# KiCad board d20_tri_r0.3_4x1.kicad_pcb (continued)
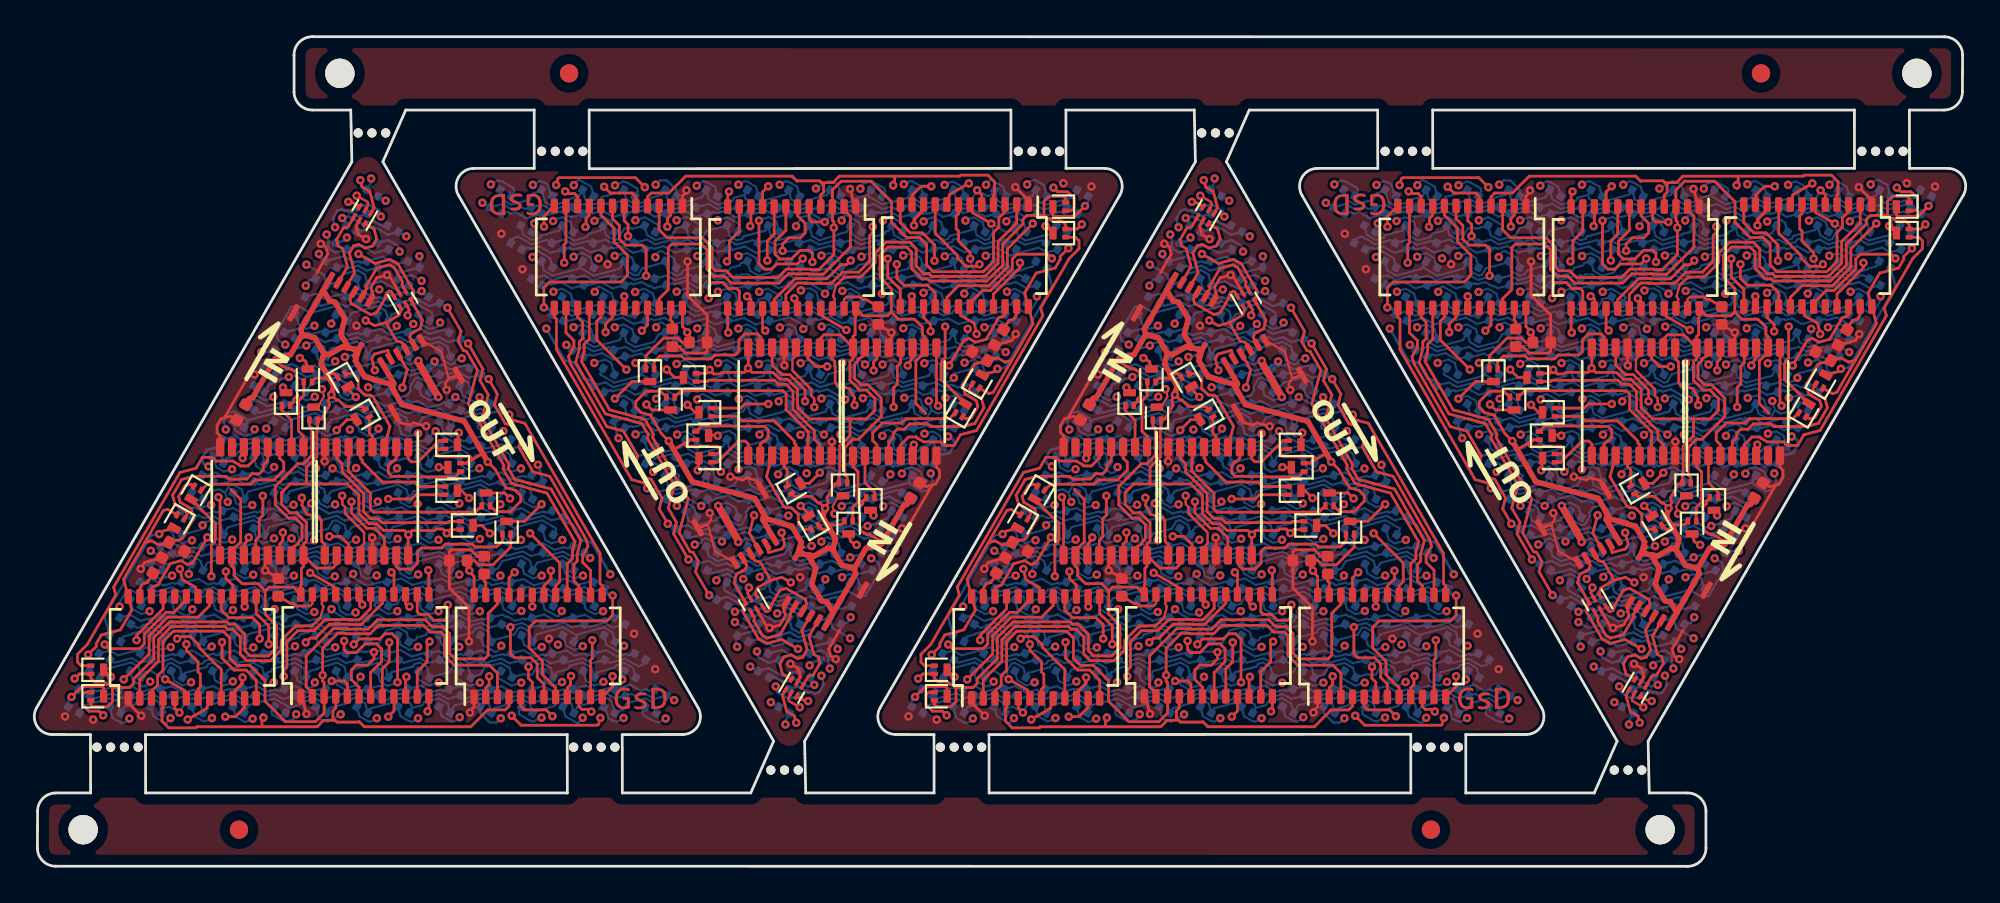
[diagram p0: board, top side]
## Routing (per net, layer and track width the routed paths; a pad name or vN(x,y) marks a point on that pad's centre or on a via; arc(x,y) is an arc through that point) (continued)
  Top w0.3: v1(34.6,23.2) 35.88,20.98 39.29,20.07 39.69,19.37 ; C3.1 47.59,19.74 47.41,19.69 46.19,17.57 45.36,17.34 44.72,16.24 ; C3#2.1 11.74,25.52 11.92,25.57 13.14,27.69 13.97,27.91 14.61,29.01 ; v1(24.73,22.06) 23.45,24.28 20.04,25.19 19.64,25.89 ; J2#2.1 19.61,26.34 19.54,26.07 19.64,25.89 ; 14.61,29.01 14.53,29.3 15.76,31.42 ; 14.61,29.01 15.3,28.83 15.79,27.97 ; 16.33,26.2 16.3,26.25 ; 16.33,26.2 v1(16.2,25.72) ; 16.33,26.2 15.63,27.4 15.79,27.97 ; 15.79,27.97 16.06,27.9 16.82,28.34 17.09,28.26 17.13,28.29 ; 19.64,25.89 19.4,26.31 18.48,26.55 18.46,26.58 18.01,26.7 17.51,27.57 17.67,28.15 17.13,28.29 ; 17.13,28.29 16.71,29.02 16.94,29.85 16.41,30.77 16.09,30.85 15.76,31.42 ; 15.76,31.42 J1#2.1 ; C3#3.1 93.59,19.74 93.41,19.69 92.19,17.57 91.36,17.34 90.72,16.24 ; v1(80.6,23.2) 81.88,20.98 85.29,20.07 85.69,19.37 ; J2#4.1 85.72,18.92 85.79,19.19 85.69,19.37 ; 90.72,16.24 90.8,15.96 89.57,13.83 ; 90.72,16.24 90.03,16.43 89.54,17.28 ; 89,19.06 89.03,19.01 ; 89,19.06 v1(89.13,19.54) ; 89,19.06 89.7,17.86 89.54,17.28 ; 89.54,17.28 89.27,17.35 88.51,16.92 88.24,16.99 88.2,16.97 ; 85.69,19.37 85.93,18.95 86.85,18.7 86.87,18.67 87.32,18.55 87.82,17.68 87.66,17.11 88.2,16.97 ; 88.2,16.97 88.62,16.24 88.4,15.41 88.93,14.49 89.24,14.4 89.57,13.83 ; 89.57,13.83 J1#4.1 ; 65.64,25.89 65.54,26.07 65.61,26.34 J2#3.1 ; 65.64,25.89 66.04,25.19 69.45,24.28 v1(70.73,22.06) ; 65.64,25.89 65.4,26.31 64.48,26.55 64.46,26.58 64.01,26.7 63.51,27.57 63.67,28.15 63.13,28.29 ; 62.33,26.2 61.63,27.4 61.79,27.97 ; 62.33,26.2 62.3,26.25 ; 62.33,26.2 v1(62.2,25.72) ; 63.13,28.29 62.71,29.02 62.94,29.85 62.41,30.77 62.09,30.85 61.76,31.42 ; 63.13,28.29 63.09,28.26 62.82,28.34 62.06,27.9 61.79,27.97 ; 60.61,29.01 61.3,28.83 61.79,27.97 ; 60.61,29.01 59.97,27.91 59.14,27.69 57.92,25.57 57.74,25.52 C3#4.1 ; 60.61,29.01 60.53,29.3 61.76,31.42 ; 61.76,31.42 J1#3.1 ; 43.57,13.83 44.8,15.96 44.72,16.24 ; 43.57,13.83 43.24,14.4 42.93,14.49 42.4,15.41 42.62,16.24 42.2,16.97 ; 43.57,13.83 J1.1 ; 44.72,16.24 44.03,16.43 43.54,17.28 ; 42.2,16.97 41.66,17.11 41.82,17.68 41.32,18.55 40.87,18.67 40.85,18.7 39.93,18.95 39.69,19.37 ; 42.2,16.97 42.24,16.99 42.51,16.92 43.27,17.35 43.54,17.28 ; 43.54,17.28 43.7,17.86 43,19.06 ; 43,19.06 43.03,19.01 ; 43,19.06 v1(43.13,19.54) ; 39.69,19.37 39.79,19.19 39.72,18.92 J2.1
  In1.Cu w0.15: v1(43.13,19.54) 42.83,20.65 ; 42.83,20.65 43.05,20.59 44.43,21.38 ; 42.83,20.65 42.58,20.65 42.12,21.11 v1(42.12,21.44) 42.17,21.62 40.08,25.22 40.04,25.24 v1(38.93,27.17) ; 35.66,29.13 36.84,27.1 v1(36.83,27.08) ; 16.5,24.61 16.28,24.67 14.9,23.87 ; 16.5,24.61 v1(16.2,25.72) ; 16.5,24.61 16.75,24.61 17.21,24.14 v1(17.21,23.82) 17.16,23.64 19.25,20.03 19.29,20.02 v1(20.41,18.09) ; 23.67,16.12 22.49,18.16 v1(22.5,18.17) ; v1(68.5,18.17) 68.49,18.16 69.67,16.12 ; 60.9,23.87 62.28,24.67 62.5,24.61 ; 88.83,20.65 89.05,20.59 90.43,21.38 ; 88.83,20.65 v1(89.13,19.54) ; 88.83,20.65 88.58,20.65 88.12,21.11 v1(88.12,21.44) 88.17,21.62 86.08,25.22 86.04,25.24 v1(84.93,27.17) ; 81.66,29.13 82.84,27.1 v1(82.83,27.08) ; 62.5,24.61 62.75,24.61 63.21,24.14 v1(63.21,23.82) 63.16,23.64 65.25,20.03 65.29,20.02 v1(66.41,18.09) ; 62.5,24.61 v1(62.2,25.72)
  In1.Cu w0.25: v1(24.73,22.06) 23.25,24.61 23.55,25.71 20.92,30.26 20.78,30.3 v1(20.36,30.05) 20.28,30.37 20.34,30.48 19.92,32.05 17.76,35.79 17.64,36.22 17.67,36.26 v1(17.59,36.58) ; v1(80.6,23.2) 82.08,20.64 81.78,19.54 84.41,15 84.55,14.96 v1(84.97,15.2) 85.05,14.89 84.99,14.78 85.41,13.21 87.57,9.46 87.69,9.04 87.66,8.99 v1(87.75,8.68) ; v1(70.73,22.06) 69.25,24.61 69.55,25.71 66.92,30.26 66.78,30.3 v1(66.36,30.05) 66.28,30.37 66.34,30.48 65.92,32.05 63.76,35.79 63.64,36.22 63.67,36.26 v1(63.59,36.58) ; v1(41.75,8.68) 41.66,8.99 41.69,9.04 41.57,9.46 39.41,13.21 38.99,14.78 39.05,14.89 v1(38.97,15.2) 38.55,14.96 38.41,15 35.78,19.54 36.08,20.64 v1(34.6,23.2)
  In1.Cu w0.4: 15.85,24.42 v1(16.2,25.72) 16.42,25.34 ; 15.85,24.42 14.9,23.87 ; 15.85,24.42 16.18,24.61 ; 16.18,24.61 16.96,24.4 ; 16.18,24.61 16.65,24.88 16.66,24.92 ; 16.18,24.61 16.37,25.31 16.42,25.34 ; 16.96,24.4 17.24,23.92 v1(17.21,23.82) 19.33,20.15 v1(19.3,20.04) 20.41,18.11 v1(20.41,18.09) ; 16.96,24.4 16.66,24.92 ; 16.66,24.92 16.42,25.34 ; 89.48,20.83 v1(89.13,19.54) 88.91,19.92 ; 89.48,20.83 90.43,21.38 ; 89.48,20.83 89.15,20.64 ; 89.15,20.64 88.37,20.85 ; 89.15,20.64 88.68,20.37 88.67,20.33 ; 89.15,20.64 88.96,19.95 88.91,19.92 ; 88.37,20.85 88.09,21.33 v1(88.12,21.44) 86,25.11 v1(86.03,25.22) 84.92,27.14 v1(84.93,27.17) ; 88.37,20.85 88.67,20.33 ; 88.67,20.33 88.91,19.92 ; 60.9,23.87 61.85,24.42 ; 61.85,24.42 62.18,24.61 ; 61.85,24.42 v1(62.2,25.72) 62.42,25.34 ; v1(66.41,18.09) 66.41,18.11 v1(65.3,20.04) 65.33,20.15 v1(63.21,23.82) 63.24,23.92 62.96,24.4 ; 62.18,24.61 62.37,25.31 62.42,25.34 ; 62.18,24.61 62.65,24.88 62.66,24.92 ; 62.18,24.61 62.96,24.4 ; 62.42,25.34 62.66,24.92 ; 62.66,24.92 62.96,24.4 ; 44.43,21.38 43.48,20.83 ; 43.48,20.83 v1(43.13,19.54) 42.91,19.92 ; 43.48,20.83 43.15,20.64 ; 42.37,20.85 42.09,21.33 v1(42.12,21.44) 40,25.11 v1(40.03,25.22) 38.92,27.14 v1(38.93,27.17) ; 42.37,20.85 42.67,20.33 ; 42.37,20.85 43.15,20.64 ; 42.91,19.92 42.67,20.33 ; 42.91,19.92 42.96,19.95 43.15,20.64 ; 42.67,20.33 42.68,20.37 43.15,20.64
  In2.Cu w0.15: v1(36.83,27.08) 36.83,26.76 36.94,26.65 36.94,25.11 36.17,24.34 34.78,23.96 34.52,23.51 v1(34.6,23.2) ; v1(22.5,18.17) 22.5,18.5 22.39,18.6 22.39,20.15 23.16,20.92 24.55,21.29 24.81,21.74 v1(24.73,22.06) ; v1(68.5,18.17) 68.5,18.5 68.39,18.6 68.39,20.15 69.16,20.92 70.55,21.29 70.81,21.74 v1(70.73,22.06) ; v1(82.83,27.08) 82.83,26.76 82.94,26.65 82.94,25.11 82.17,24.34 80.78,23.96 80.52,23.51 v1(80.6,23.2)
  In2.Cu w0.5: v1(2.2,10.24) 2.2,10.26 v1(2.94,11.54) ; v1(103.13,35.02) 103.14,34.99 v1(102.4,33.71) ; v1(48.94,11.54) 48.2,10.26 v1(48.2,10.24) ; v1(57.13,35.02) 57.14,34.99 v1(56.4,33.71)
  vias: v1(23.73,16.13) v1(35.6,29.13) v1(69.73,16.13) v1(81.6,29.13)
blank: length 306.7
  Top w0.15: v1(33.14,29.22) 33.44,29.52 U1.21 ; v1(20.08,26.11) 20.34,27.08 J2#2.3 ; U2#2.21 16.48,14.99 16.34,15.24 16.34,15.26 v1(15.05,16) ; U1#2.21 25.89,15.74 v1(26.19,16.04) ; v1(5.58,12.34) 5.58,12.6 7.02,14.05 U3#2.21 ; U6#2.4 18.53,35.93 18.3,36.81 17.88,37.05 v1(17.78,37.42) ; v1(66.08,26.11) 66.34,27.08 J2#3.3 ; U2#3.21 62.48,14.99 62.34,15.24 62.34,15.26 v1(61.05,16) ; U1#3.21 71.89,15.74 v1(72.19,16.04) ; v1(51.58,12.34) 51.58,12.6 53.02,14.05 U3#4.21 ; U6#3.4 64.53,35.93 64.3,36.81 63.88,37.05 v1(63.78,37.42) ; v1(85.25,19.15) 84.99,18.18 J2#4.3 ; U2#4.21 88.85,30.26 88.99,30.02 88.99,30 v1(90.29,29.25) ; U1#4.21 79.44,29.52 v1(79.14,29.22) ; v1(99.75,32.92) 99.75,32.66 98.31,31.21 U3#3.21 ; U6#4.4 86.8,9.33 87.03,8.45 87.45,8.21 v1(87.55,7.83) ; J2.3 38.99,18.18 v1(39.25,19.15) ; U2.21 42.85,30.26 42.99,30.02 42.99,30 v1(44.29,29.25) ; v1(41.55,7.83) 41.45,8.21 41.03,8.45 40.8,9.33 U6.4 ; U3.21 52.31,31.21 53.75,32.66 v1(53.75,32.92)
  In2.Cu w0.15: 16.54,10.75 15.9,11.4 15.9,13.69 15.71,13.88 15.71,15.34 v1(15.05,16) 17.41,17.37 18.59,17.05 19.02,17.48 19.02,18.17 20.16,19.31 20.16,20.31 20.51,20.66 20.51,21.76 19.79,22.48 19.79,24.92 20.11,25.23 20.11,26 19.62,27.83 18.78,29.27 18.78,29.27 18.67,29.45 18.96,30.51 19.89,31.05 20.09,31.8 18.99,33.7 19.09,34.08 18.19,35.64 18.31,36.09 17.98,36.67 v1(17.78,37.42) ; 16.54,10.75 16.91,10.12 17.46,9.57 17.46,8.04 17.02,7.6 11.4,7.6 11.07,7.93 11.07,8.91 10.12,9.46 10.04,9.76 v1(5.58,12.34) ; 16.54,10.75 17.29,11.19 19.71,10.54 20.43,10.96 20.54,10.77 20.97,10.66 21.62,9.54 22.07,9.42 22.5,9.67 22.59,10.01 21.79,11.39 22.2,12.92 23.92,14.63 24.79,14.63 v1(26.19,16.04) ; 62.54,10.75 61.9,11.4 61.9,13.69 61.71,13.88 61.71,15.34 v1(61.05,16) 63.41,17.37 64.59,17.05 65.02,17.48 65.02,18.17 66.16,19.31 66.16,20.31 66.51,20.66 66.51,21.76 65.79,22.48 65.79,24.92 66.11,25.23 66.11,26 65.62,27.83 64.78,29.27 64.78,29.27 64.67,29.45 64.96,30.51 65.89,31.05 66.09,31.8 64.99,33.7 65.09,34.08 64.19,35.64 64.31,36.09 63.98,36.67 v1(63.78,37.42) ; 62.54,10.75 62.91,10.12 63.46,9.57 63.46,8.04 63.02,7.6 57.4,7.6 57.07,7.93 57.07,8.91 56.12,9.46 56.04,9.76 v1(51.58,12.34) ; 62.54,10.75 63.29,11.19 65.71,10.54 66.43,10.96 66.54,10.77 66.97,10.66 67.62,9.54 68.07,9.42 68.5,9.67 68.59,10.01 67.79,11.39 68.2,12.92 69.92,14.63 70.79,14.63 v1(72.19,16.04) ; 88.79,34.5 89.44,33.86 89.43,31.56 89.63,31.37 89.63,29.91 v1(90.29,29.25) 87.92,27.89 86.75,28.2 86.32,27.77 86.32,27.08 85.18,25.94 85.18,24.94 84.83,24.59 84.83,23.49 85.54,22.78 85.54,20.34 85.23,20.03 85.23,19.25 85.71,17.43 86.55,15.98 86.55,15.98 86.66,15.8 86.37,14.75 85.44,14.2 85.24,13.46 86.34,11.55 86.24,11.17 87.14,9.62 87.02,9.16 87.35,8.59 v1(87.55,7.83) ; 88.79,34.5 88.42,35.14 87.88,35.69 87.88,37.21 88.32,37.65 93.94,37.65 94.27,37.32 94.27,36.34 95.21,35.79 95.29,35.49 v1(99.75,32.92) ; 88.79,34.5 88.04,34.07 85.62,34.71 84.9,34.3 84.8,34.48 84.36,34.6 83.71,35.72 83.26,35.84 82.83,35.59 82.74,35.25 83.54,33.86 83.13,32.34 81.41,30.62 80.54,30.62 v1(79.14,29.22) ; 42.79,34.5 43.44,33.86 43.43,31.56 43.63,31.37 43.63,29.91 v1(44.29,29.25) 41.92,27.89 40.75,28.2 40.32,27.77 40.32,27.08 39.18,25.94 39.18,24.94 38.83,24.59 38.83,23.49 39.54,22.78 39.54,20.34 39.23,20.03 39.23,19.25 39.71,17.43 40.55,15.98 40.55,15.98 40.66,15.8 40.37,14.75 39.44,14.2 39.24,13.46 40.34,11.55 40.24,11.17 41.14,9.62 41.02,9.16 41.35,8.59 v1(41.55,7.83) ; 42.79,34.5 42.04,34.07 39.62,34.71 38.9,34.3 38.8,34.48 38.36,34.6 37.71,35.72 37.26,35.84 36.83,35.59 36.74,35.25 37.54,33.86 37.13,32.34 35.41,30.62 34.54,30.62 v1(33.14,29.22) ; 42.79,34.5 42.42,35.14 41.88,35.69 41.88,37.21 42.32,37.65 47.94,37.65 48.27,37.32 48.27,36.34 49.21,35.79 49.29,35.49 v1(53.75,32.92)
blank_i: length 20.7
  Top w0.15: U6#2.3 18.53,34.76 18.67,34.22 18.45,33.83 18.04,33.72 17.69,33.92 17.42,33.85 17.18,33.44 17.47,32.38 J1#2.3 ; U6#3.3 64.53,34.76 64.67,34.22 64.45,33.83 64.04,33.72 63.69,33.92 63.42,33.85 63.18,33.44 63.47,32.38 J1#3.3 ; U6#4.3 86.8,10.49 86.66,11.03 86.88,11.42 87.29,11.53 87.64,11.33 87.91,11.41 88.15,11.81 87.86,12.87 J1#4.3 ; J1.3 41.86,12.87 42.15,11.81 41.91,11.41 41.64,11.33 41.29,11.53 40.88,11.42 40.66,11.03 40.8,10.49 U6.3
colb_0: length 174.4
  Top w0.15: U3.5 51.67,36.62 v1(51.42,36.87) ; v1(7.91,8.38) 7.66,8.64 U3#2.5 ; U3#4.5 53.66,8.64 v1(53.91,8.38) ; v1(97.42,36.87) 97.67,36.62 U3#3.5
  Bottom w0.114: 45.47,36.62 45.49,36.53 46.24,36.1 46.67,36.22 46.69,36.21 47.63,36.46 D161.2 48.02,36.37 48.49,36.1 49.89,36.48 D177.2 50.27,36.34 50.71,36.09 51.01,36.17 v1(51.42,36.87) 51.97,36.55 52.21,36.61 D193.2 52.53,36.31 52.99,36.04 53.74,36.25 53.84,36.42 54.44,36.58 D209.2 54.76,36.37 54.86,36.2 55.23,36.1 56.63,36.48 D225.2 ; 45.47,36.62 D145.2 ; 45.47,36.62 44.65,36.39 44.57,36.26 43.99,36.11 43.62,36.32 43.55,36.3 D129.2 43.23,36.62 42.15,36.33 42.03,36.12 41.82,36.06 41.28,36.38 D113.2 40.99,36.64 39.86,36.34 39.77,36.18 39.37,36.07 38.79,36.41 38.73,36.62 ; 38.73,36.62 38.16,36.46 38.07,36.3 37.28,36.09 36.79,36.38 D81.2 36.4,36.48 34.99,36.1 34.54,36.36 D65.2 34.24,36.63 33.62,36.46 33.54,36.32 32.76,36.11 32.29,36.38 D49.2 32.11,36.82 30.96,36.51 30.76,36.17 30.51,36.11 30.04,36.38 D33.2 29.7,36.54 29.18,36.4 29.1,36.27 28.21,36.03 27.83,36.25 D17.2 27.52,36.86 27.48,36.79 27.22,36.72 27.02,36.36 26.01,36.09 25.56,36.35 D1.2 ; 38.73,36.62 D97.2 ; D1#2.2 33.77,8.91 33.32,9.17 32.31,8.9 32.11,8.54 31.85,8.47 31.81,8.4 D17#2.2 31.5,9.01 31.12,9.22 30.23,8.99 30.16,8.86 29.63,8.72 D33#2.2 29.29,8.88 28.82,9.15 28.57,9.08 28.38,8.74 27.22,8.43 D49#2.2 27.04,8.88 26.57,9.15 25.79,8.94 25.71,8.8 25.09,8.63 D65#2.2 24.79,8.9 24.34,9.16 22.93,8.78 D81#2.2 22.55,8.88 22.05,9.17 21.26,8.96 21.17,8.79 20.6,8.64 ; 20.6,8.64 D97#2.2 ; 20.6,8.64 20.54,8.85 19.96,9.18 19.56,9.08 19.47,8.92 18.34,8.61 D113#2.2 18.05,8.88 17.51,9.19 17.3,9.13 17.18,8.93 16.1,8.64 D129#2.2 15.78,8.96 15.71,8.94 15.34,9.15 14.76,9 14.68,8.86 13.86,8.64 ; 13.86,8.64 D145#2.2 ; 13.86,8.64 13.84,8.72 13.09,9.15 12.67,9.04 12.64,9.05 11.7,8.8 D161#2.2 11.31,8.88 10.84,9.15 9.44,8.78 D177#2.2 9.06,8.91 8.62,9.16 8.32,9.08 v1(7.91,8.38) 7.36,8.71 7.12,8.64 D193#2.2 6.8,8.95 6.34,9.21 5.59,9.01 5.49,8.84 4.89,8.68 D209#2.2 4.57,8.88 4.47,9.05 4.1,9.15 2.7,8.78 D225#2.2 ; D1#3.2 79.77,8.91 79.32,9.17 78.31,8.9 78.11,8.54 77.85,8.47 77.81,8.4 D17#3.2 77.5,9.01 77.12,9.22 76.23,8.99 76.16,8.86 75.63,8.72 D33#3.2 75.29,8.88 74.82,9.15 74.57,9.08 74.38,8.74 73.22,8.43 D49#4.2 73.04,8.88 72.57,9.15 71.79,8.94 71.71,8.8 71.09,8.63 D65#3.2 70.79,8.9 70.34,9.16 68.93,8.78 D81#4.2 68.55,8.88 68.05,9.17 67.26,8.96 67.17,8.79 66.6,8.64 ; D1#4.2 71.56,36.35 72.01,36.09 73.02,36.36 73.22,36.72 73.48,36.79 73.52,36.86 D17#4.2 73.83,36.25 74.21,36.03 75.1,36.27 75.18,36.4 75.7,36.54 D33#4.2 76.04,36.38 76.51,36.11 76.76,36.17 76.96,36.51 78.11,36.82 D49#3.2 78.29,36.38 78.76,36.11 79.54,36.32 79.62,36.46 80.24,36.63 D65#4.2 80.54,36.36 80.99,36.1 82.4,36.48 D81#3.2 82.79,36.38 83.28,36.09 84.07,36.3 84.16,36.46 84.73,36.62 ; 84.73,36.62 D97#3.2 ; 84.73,36.62 84.79,36.41 85.37,36.07 85.77,36.18 85.86,36.34 86.99,36.64 D113#4.2 87.28,36.38 87.82,36.06 88.03,36.12 88.15,36.33 89.23,36.62 D129#4.2 89.55,36.3 89.62,36.32 89.99,36.11 90.57,36.26 90.65,36.39 91.47,36.62 ; 91.47,36.62 D145#3.2 ; 91.47,36.62 91.49,36.53 92.24,36.1 92.67,36.22 92.69,36.21 93.63,36.46 D161#4.2 94.02,36.37 94.49,36.1 95.89,36.48 D177#3.2 96.27,36.34 96.71,36.09 97.01,36.17 v1(97.42,36.87) 97.97,36.55 98.21,36.61 D193#4.2 98.53,36.31 98.99,36.04 99.74,36.25 99.84,36.42 100.44,36.58 D209#4.2 100.76,36.37 100.86,36.2 101.23,36.1 102.63,36.48 D225#4.2 ; 66.6,8.64 66.54,8.85 65.96,9.18 65.56,9.08 65.47,8.92 64.34,8.61 D113#3.2 64.05,8.88 63.51,9.19 63.3,9.13 63.18,8.93 62.1,8.64 D129#3.2 61.78,8.96 61.71,8.94 61.34,9.15 60.76,9 60.68,8.86 59.86,8.64 ; 66.6,8.64 D97#4.2 ; 59.86,8.64 59.84,8.72 59.09,9.15 58.67,9.04 58.64,9.05 57.7,8.8 D161#3.2 57.31,8.88 56.84,9.15 55.44,8.78 D177#4.2 55.06,8.91 54.62,9.16 54.32,9.08 v1(53.91,8.38) 53.36,8.71 53.12,8.64 D193#3.2 52.8,8.95 52.34,9.21 51.59,9.01 51.49,8.84 50.89,8.68 D209#3.2 50.57,8.88 50.47,9.05 50.1,9.15 48.7,8.78 D225#3.2 ; 59.86,8.64 D145#4.2
colb_1: length 167.2
  Top w0.15: v1(52.19,35.05) 51.15,35.65 U3.6 ; U3#2.6 8.18,9.6 v1(7.14,10.2) ; U3#3.6 97.15,35.65 v1(98.19,35.05) ; v1(53.14,10.2) 54.18,9.6 U3#4.6
  Bottom w0.114: D114.2 42.42,34.37 42.81,34.14 43.06,34.21 43.07,34.23 43.83,34.43 43.85,34.48 44.31,34.6 D130.2 44.65,34.43 45.12,34.16 46.36,34.49 46.44,34.63 46.6,34.67 D146.2 46.9,34.43 47.36,34.16 48.77,34.53 D162.2 49.14,34.43 49.61,34.16 49.84,34.22 49.94,34.39 51.11,34.7 D178.2 51.39,34.43 51.86,34.16 52.05,34.21 52.3,34.65 v1(52.19,35.05) 53.01,34.58 53.34,34.67 D194.2 53.65,34.36 54.05,34.13 55.5,34.52 D210.2 ; D2.2 26.68,34.43 27.14,34.16 27.59,34.28 27.67,34.42 28.62,34.67 D18.2 28.92,34.43 29.44,34.13 30.12,34.31 30.23,34.5 30.87,34.67 D34.2 31.17,34.43 31.64,34.16 31.84,34.22 32.17,34.78 32.44,34.86 32.6,34.77 D50.2 33.42,34.43 33.88,34.16 34.78,34.4 35.02,34.81 D66.2 35.67,34.4 36.1,34.15 36.42,34.24 36.65,34.65 D82.2 37.93,34.37 38.31,34.14 38.59,34.22 ; D2#2.2 32.66,10.82 32.19,11.09 31.74,10.97 31.66,10.84 30.71,10.58 D18#2.2 30.41,10.82 29.89,11.12 29.21,10.94 29.1,10.75 28.46,10.58 D34#2.2 28.16,10.82 27.7,11.09 27.49,11.04 27.16,10.47 26.89,10.4 26.73,10.49 D50#2.2 25.92,10.82 25.45,11.09 24.55,10.85 24.31,10.44 D66#2.2 23.66,10.86 23.23,11.1 22.92,11.02 22.68,10.6 D82#2.2 21.4,10.89 21.02,11.11 20.74,11.04 ; D114#2.2 16.91,10.88 16.52,11.11 16.27,11.04 16.26,11.03 15.5,10.82 15.48,10.78 15.02,10.65 D130#2.2 14.68,10.83 14.21,11.1 12.97,10.76 12.89,10.63 12.73,10.59 D146#2.2 12.43,10.83 11.97,11.1 10.57,10.72 D162#2.2 10.19,10.83 9.72,11.1 9.49,11.04 9.4,10.87 8.22,10.55 D178#2.2 7.94,10.83 7.47,11.1 7.28,11.05 7.03,10.61 v1(7.14,10.2) 6.32,10.67 5.99,10.59 D194#2.2 5.68,10.89 5.28,11.12 3.83,10.73 D210#2.2 ; D98#2.2 19.17,10.82 18.71,11.09 17.31,10.72 17.25,10.62 ; D2#3.2 78.66,10.82 78.19,11.09 77.74,10.97 77.66,10.84 76.71,10.58 D18#3.2 76.41,10.82 75.89,11.12 75.21,10.94 75.1,10.75 74.46,10.58 D34#4.2 74.16,10.82 73.7,11.09 73.49,11.04 73.16,10.47 72.89,10.4 72.73,10.49 D50#4.2 71.92,10.82 71.45,11.09 70.55,10.85 70.31,10.44 D66#4.2 69.66,10.86 69.23,11.1 68.92,11.02 68.68,10.6 D82#4.2 67.4,10.89 67.02,11.11 66.74,11.04 ; D2#4.2 72.68,34.43 73.14,34.16 73.59,34.28 73.67,34.42 74.62,34.67 D18#4.2 74.92,34.43 75.44,34.13 76.12,34.31 76.23,34.5 76.87,34.67 D34#3.2 77.17,34.43 77.64,34.16 77.84,34.22 78.17,34.78 78.44,34.86 78.6,34.77 D50#3.2 79.42,34.43 79.88,34.16 80.78,34.4 81.02,34.81 D66#3.2 81.67,34.4 82.1,34.15 82.42,34.24 82.65,34.65 D82#3.2 83.93,34.37 84.31,34.14 84.59,34.22 ; D114#3.2 88.42,34.37 88.81,34.14 89.06,34.21 89.07,34.23 89.83,34.43 89.85,34.48 90.31,34.6 D130#4.2 90.65,34.43 91.12,34.16 92.36,34.49 92.44,34.63 92.6,34.67 D146#3.2 92.9,34.43 93.36,34.16 94.77,34.53 D162#4.2 95.14,34.43 95.61,34.16 95.84,34.22 95.94,34.39 97.11,34.7 D178#3.2 97.39,34.43 97.86,34.16 98.05,34.21 98.3,34.65 v1(98.19,35.05) 99.01,34.58 99.34,34.67 D194#4.2 99.65,34.36 100.05,34.13 101.5,34.52 D210#4.2 ; D98#3.2 86.16,34.43 86.62,34.16 88.03,34.54 88.08,34.64 ; D114#4.2 62.91,10.88 62.52,11.11 62.27,11.04 62.26,11.03 61.5,10.82 61.48,10.78 61.02,10.65 D130#3.2 60.68,10.83 60.21,11.1 58.97,10.76 58.89,10.63 58.73,10.59 D146#4.2 58.43,10.83 57.97,11.1 56.57,10.72 D162#3.2 56.19,10.83 55.72,11.1 55.49,11.04 55.4,10.87 54.22,10.55 D178#4.2 53.94,10.83 53.47,11.1 53.28,11.05 53.03,10.61 v1(53.14,10.2) 52.32,10.67 51.99,10.59 D194#3.2 51.68,10.89 51.28,11.12 49.83,10.73 D210#3.2 ; 63.25,10.62 63.31,10.72 64.71,11.09 65.17,10.82 D98#4.2 ; D98.2 40.16,34.43 40.62,34.16 42.03,34.54 42.08,34.64
  Bottom w0.127: D98#2.2 19.47,10.58 20.66,10.9 20.74,11.04 ; D114#2.2 17.25,10.62 ; D98#3.2 85.86,34.67 84.67,34.35 84.59,34.22 ; D114#3.2 88.08,34.64 ; D98#4.2 65.47,10.58 66.66,10.9 66.74,11.04 ; D114#4.2 63.25,10.62 ; D114.2 42.08,34.64 ; D98.2 39.86,34.67 38.67,34.35 38.59,34.22
colb_2: length 161.9
  Top w0.15: U3#2.7 8.93,9.66 9.06,9.79 9.06,10.48 8.93,10.61 8.93,11.15 8.29,11.79 v1(8.29,12.11) ; U3#4.7 54.93,9.66 55.06,9.79 55.06,10.48 54.93,10.61 54.93,11.15 54.29,11.79 v1(54.29,12.11) ; U3#3.7 96.4,35.59 96.28,35.47 96.28,34.77 96.4,34.65 96.4,34.1 97.04,33.47 v1(97.04,33.14) ; v1(51.04,33.14) 51.04,33.47 50.4,34.1 50.4,34.65 50.28,34.77 50.28,35.47 50.4,35.59 U3.7
  Bottom w0.114: D35.2 32.29,32.49 32.76,32.22 32.95,32.27 33.15,32.61 34.36,32.94 D51.2 34.54,32.49 35.01,32.22 35.29,32.29 35.41,32.51 36.24,32.73 36.31,32.68 36.49,32.73 D67.2 36.79,32.49 37.25,32.22 37.82,32.37 37.98,32.64 38.46,32.77 38.54,32.91 D83.2 39.03,32.48 39.5,32.22 40.14,32.39 40.53,33.06 40.88,33.16 D99.2 41.14,32.65 41.56,32.23 41.8,32.23 43.15,32.59 43.42,32.59 43.53,32.48 43.99,32.21 44.26,32.29 44.38,32.49 44.83,32.61 44.93,32.78 45.35,32.89 45.38,32.93 D131.2 45.79,32.4 46.16,32.19 47.64,32.59 D147.2 48.02,32.48 48.49,32.21 48.85,32.31 48.95,32.48 49.98,32.75 D163.2 50.27,32.48 50.73,32.21 51.02,32.29 51.19,32.59 ; 32.21,32.97 32.14,32.85 32.05,32.82 31.91,32.59 30.51,32.22 29.77,32.65 29.75,32.73 D19.2 29.67,32.59 28.27,32.22 27.8,32.49 D3.2 ; D179.2 52.21,32.72 ; 52.21,32.72 52.24,32.64 52.98,32.21 53.26,32.29 53.35,32.44 53.61,32.51 53.67,32.47 54,32.56 54.02,32.61 54.46,32.72 D195.2 ; 52.21,32.72 52.12,32.57 51.51,32.4 51.19,32.59 ; 51.19,32.59 51.13,32.82 51.12,32.83 v1(51.04,33.14) ; 7.12,12.53 7.21,12.69 7.82,12.85 8.14,12.66 ; 7.12,12.53 7.1,12.61 6.35,13.04 6.07,12.97 5.98,12.81 5.73,12.74 5.66,12.78 5.33,12.7 5.31,12.65 4.87,12.53 D195#2.2 ; 7.12,12.53 D179#2.2 ; 8.14,12.66 8.2,12.43 8.21,12.43 v1(8.29,12.11) ; 8.14,12.66 8.31,12.97 8.6,13.04 9.06,12.77 D163#2.2 9.35,12.5 10.38,12.78 10.48,12.94 10.84,13.04 11.31,12.77 D147#2.2 11.69,12.67 13.17,13.06 13.54,12.85 D131#2.2 13.95,12.32 13.98,12.36 14.41,12.48 14.5,12.64 14.95,12.76 15.07,12.97 15.34,13.04 15.8,12.77 15.91,12.66 16.18,12.66 17.53,13.02 17.77,13.02 18.19,12.61 D99#2.2 18.45,12.1 18.8,12.19 19.19,12.87 19.83,13.04 20.3,12.77 D83#2.2 20.79,12.35 20.87,12.48 21.35,12.61 21.51,12.89 22.08,13.04 22.54,12.77 D67#2.2 22.84,12.53 23.02,12.57 23.1,12.53 23.92,12.75 24.04,12.96 24.32,13.04 24.79,12.77 D51#2.2 24.97,12.32 26.18,12.64 26.38,12.99 26.57,13.04 27.04,12.77 D35#2.2 ; D3#2.2 31.53,12.77 31.06,13.04 29.66,12.66 D19#2.2 29.58,12.53 29.56,12.61 28.82,13.04 27.42,12.66 27.28,12.43 27.19,12.41 27.12,12.28 ; 54.14,12.66 53.82,12.85 53.21,12.69 53.12,12.53 ; 54.14,12.66 54.2,12.43 54.21,12.43 v1(54.29,12.11) ; 54.14,12.66 54.31,12.97 54.6,13.04 55.06,12.77 D163#4.2 55.35,12.5 56.38,12.78 56.48,12.94 56.84,13.04 57.31,12.77 D147#4.2 57.69,12.67 59.17,13.06 59.54,12.85 D131#3.2 59.95,12.32 59.98,12.36 60.41,12.48 60.5,12.64 60.95,12.76 61.07,12.97 61.34,13.04 61.8,12.77 61.91,12.66 62.18,12.66 63.53,13.02 63.77,13.02 64.19,12.61 D99#4.2 64.45,12.1 64.8,12.19 65.19,12.87 65.83,13.04 66.3,12.77 D83#4.2 66.79,12.35 66.87,12.48 67.35,12.61 67.51,12.89 68.08,13.04 68.54,12.77 D67#3.2 68.84,12.53 69.02,12.57 69.1,12.53 69.92,12.75 70.04,12.96 70.32,13.04 70.79,12.77 D51#4.2 70.97,12.32 72.18,12.64 72.38,12.99 72.57,13.04 73.04,12.77 D35#3.2 ; D3#3.2 77.53,12.77 77.06,13.04 75.66,12.66 D19#4.2 75.58,12.53 75.56,12.61 74.82,13.04 73.42,12.66 73.28,12.43 73.19,12.41 73.12,12.28 ; 53.12,12.53 53.1,12.61 52.35,13.04 52.07,12.97 51.98,12.81 51.73,12.74 51.66,12.78 51.33,12.7 51.31,12.65 50.87,12.53 D195#3.2 ; 53.12,12.53 D179#4.2 ; 98.21,32.72 98.12,32.57 97.51,32.4 97.19,32.59 ; 98.21,32.72 98.24,32.64 98.98,32.21 99.26,32.29 99.35,32.44 99.61,32.51 99.67,32.47 100,32.56 100.02,32.61 100.46,32.72 D195#4.2 ; 98.21,32.72 D179#3.2 ; 97.19,32.59 97.13,32.82 97.12,32.83 v1(97.04,33.14) ; 97.19,32.59 97.02,32.29 96.73,32.21 96.27,32.48 D163#3.2 95.98,32.75 94.95,32.48 94.85,32.31 94.49,32.21 94.02,32.48 D147#3.2 93.64,32.59 92.16,32.19 91.79,32.4 D131#4.2 91.38,32.93 91.35,32.89 90.93,32.78 90.83,32.61 90.38,32.49 90.26,32.29 89.99,32.21 89.53,32.48 89.42,32.59 89.15,32.59 87.8,32.23 87.56,32.23 87.14,32.65 D99#3.2 86.88,33.16 86.53,33.06 86.14,32.39 85.5,32.22 85.03,32.48 D83#3.2 84.54,32.91 84.46,32.77 83.98,32.64 83.82,32.37 83.25,32.22 82.79,32.49 D67#4.2 82.49,32.73 82.31,32.68 82.24,32.73 81.41,32.51 81.29,32.29 81.01,32.22 80.54,32.49 D51#3.2 80.36,32.94 79.15,32.61 78.95,32.27 78.76,32.22 78.29,32.49 D35#4.2 ; D3#4.2 73.8,32.49 74.27,32.22 75.67,32.59 D19#3.2 75.75,32.73 75.77,32.65 76.51,32.22 77.91,32.59 78.05,32.82 78.14,32.85 78.21,32.97
  Bottom w0.15: D115#2.2 15.94,12.58 15.91,12.61 15.91,12.66 ; 61.91,12.66 61.91,12.61 61.94,12.58 D115#4.2 ; D115#3.2 89.39,32.68 89.42,32.65 89.42,32.59 ; D115.2 43.39,32.68 43.42,32.65 43.42,32.59
colb_3: length 182.2
  Top w0.15: v1(8.37,8.01) 9.42,8.62 U3#2.8 ; U3#4.8 55.42,8.62 v1(54.37,8.01) ; v1(96.96,37.25) 95.91,36.64 U3#3.8 ; U3.8 49.91,36.64 v1(50.96,37.25)
  In1.Cu w0.15: 52.15,34.02 53.68,31.36 v1(54.68,31.09) ; 52.15,34.02 51.95,34.36 ; 52.15,34.02 50.75,36.44 v1(50.96,37.25) ; 7.18,11.24 7.38,10.89 ; 7.18,11.24 5.65,13.9 v1(4.65,14.17) ; 7.18,11.24 8.58,8.82 v1(8.37,8.01) ; 53.18,11.24 53.38,10.89 ; 53.18,11.24 51.65,13.9 v1(50.65,14.17) ; 53.18,11.24 54.58,8.82 v1(54.37,8.01) ; 98.15,34.02 97.95,34.36 ; 98.15,34.02 99.68,31.36 v1(100.68,31.09) ; 98.15,34.02 96.75,36.44 v1(96.96,37.25)
  Bottom w0.114: D4.2 28.92,30.54 29.39,30.27 30.79,30.65 D20.2 31.18,30.51 31.62,30.25 33.03,30.63 D36.2 33.42,30.54 33.89,30.27 35.28,30.64 D52.2 35.66,30.54 36.13,30.27 36.33,30.32 36.37,30.39 37.57,30.71 D68.2 37.91,30.54 38.38,30.27 39.28,30.51 39.52,30.93 D84.2 40.16,30.54 40.62,30.27 42.03,30.65 D100.2 42.4,30.54 42.87,30.27 44.27,30.65 D116.2 44.65,30.54 45.12,30.27 46.52,30.64 D132.2 46.9,30.54 47.36,30.27 48.77,30.64 D148.2 49.14,30.54 49.61,30.27 49.91,30.35 50.02,30.53 51.12,30.82 D164.2 51.39,30.54 51.86,30.27 53.26,30.64 D180.2 53.34,30.78 53.39,30.57 54.09,30.17 54.31,30.23 54.72,30.94 v1(54.68,31.09) ; D4#2.2 30.41,14.71 29.94,14.98 28.54,14.61 D20#2.2 28.15,14.75 27.71,15 26.3,14.62 D36#2.2 25.91,14.71 25.44,14.99 24.05,14.61 D52#2.2 23.67,14.71 23.2,14.98 23,14.93 22.96,14.87 21.76,14.55 D68#2.2 21.42,14.72 20.95,14.98 20.05,14.74 19.81,14.33 D84#2.2 19.17,14.72 18.71,14.99 17.3,14.61 D100#2.2 16.93,14.72 16.46,14.99 15.06,14.61 D116#2.2 14.68,14.72 14.21,14.99 12.81,14.61 D132#2.2 12.43,14.72 11.97,14.99 10.56,14.61 D148#2.2 10.19,14.72 9.72,14.99 9.42,14.91 9.31,14.72 8.21,14.43 D164#2.2 7.94,14.72 7.47,14.99 6.07,14.61 D180#2.2 5.99,14.48 5.94,14.69 5.24,15.09 5.02,15.03 4.61,14.32 v1(4.65,14.17) ; v1(50.65,14.17) 50.61,14.32 51.02,15.03 51.24,15.09 51.94,14.69 51.99,14.48 D180#3.2 52.07,14.61 53.47,14.99 53.94,14.72 D164#3.2 54.21,14.43 55.31,14.72 55.42,14.91 55.72,14.99 56.19,14.72 D148#4.2 56.56,14.61 57.97,14.99 58.43,14.72 D132#3.2 58.81,14.61 60.21,14.99 60.68,14.72 D116#4.2 61.06,14.61 62.46,14.99 62.93,14.72 D100#4.2 63.3,14.61 64.71,14.99 65.17,14.72 D84#3.2 65.81,14.33 66.05,14.74 66.95,14.98 67.42,14.72 D68#4.2 67.76,14.55 68.96,14.87 69,14.93 69.2,14.98 69.67,14.71 D52#3.2 70.05,14.61 71.44,14.99 71.91,14.71 D36#4.2 72.3,14.62 73.71,15 74.15,14.75 D20#4.2 74.54,14.61 75.94,14.98 76.41,14.71 D4#4.2 ; D4#3.2 74.92,30.54 75.39,30.27 76.79,30.65 D20#3.2 77.18,30.51 77.62,30.25 79.03,30.63 D36#3.2 79.42,30.54 79.89,30.27 81.28,30.64 D52#4.2 81.66,30.54 82.13,30.27 82.33,30.32 82.37,30.39 83.57,30.71 D68#3.2 83.91,30.54 84.38,30.27 85.28,30.51 85.52,30.93 D84#4.2 86.16,30.54 86.62,30.27 88.03,30.65 D100#3.2 88.4,30.54 88.87,30.27 90.27,30.65 D116#3.2 90.65,30.54 91.12,30.27 92.52,30.64 D132#4.2 92.9,30.54 93.36,30.27 94.77,30.64 D148#3.2 95.14,30.54 95.61,30.27 95.91,30.35 96.02,30.53 97.12,30.82 D164#4.2 97.39,30.54 97.86,30.27 99.26,30.64 D180#4.2 99.34,30.78 99.39,30.57 100.09,30.17 100.31,30.23 100.72,30.94 v1(100.68,31.09)
